# KiCad board hypjolin-rounded.kicad_pcb (continued)
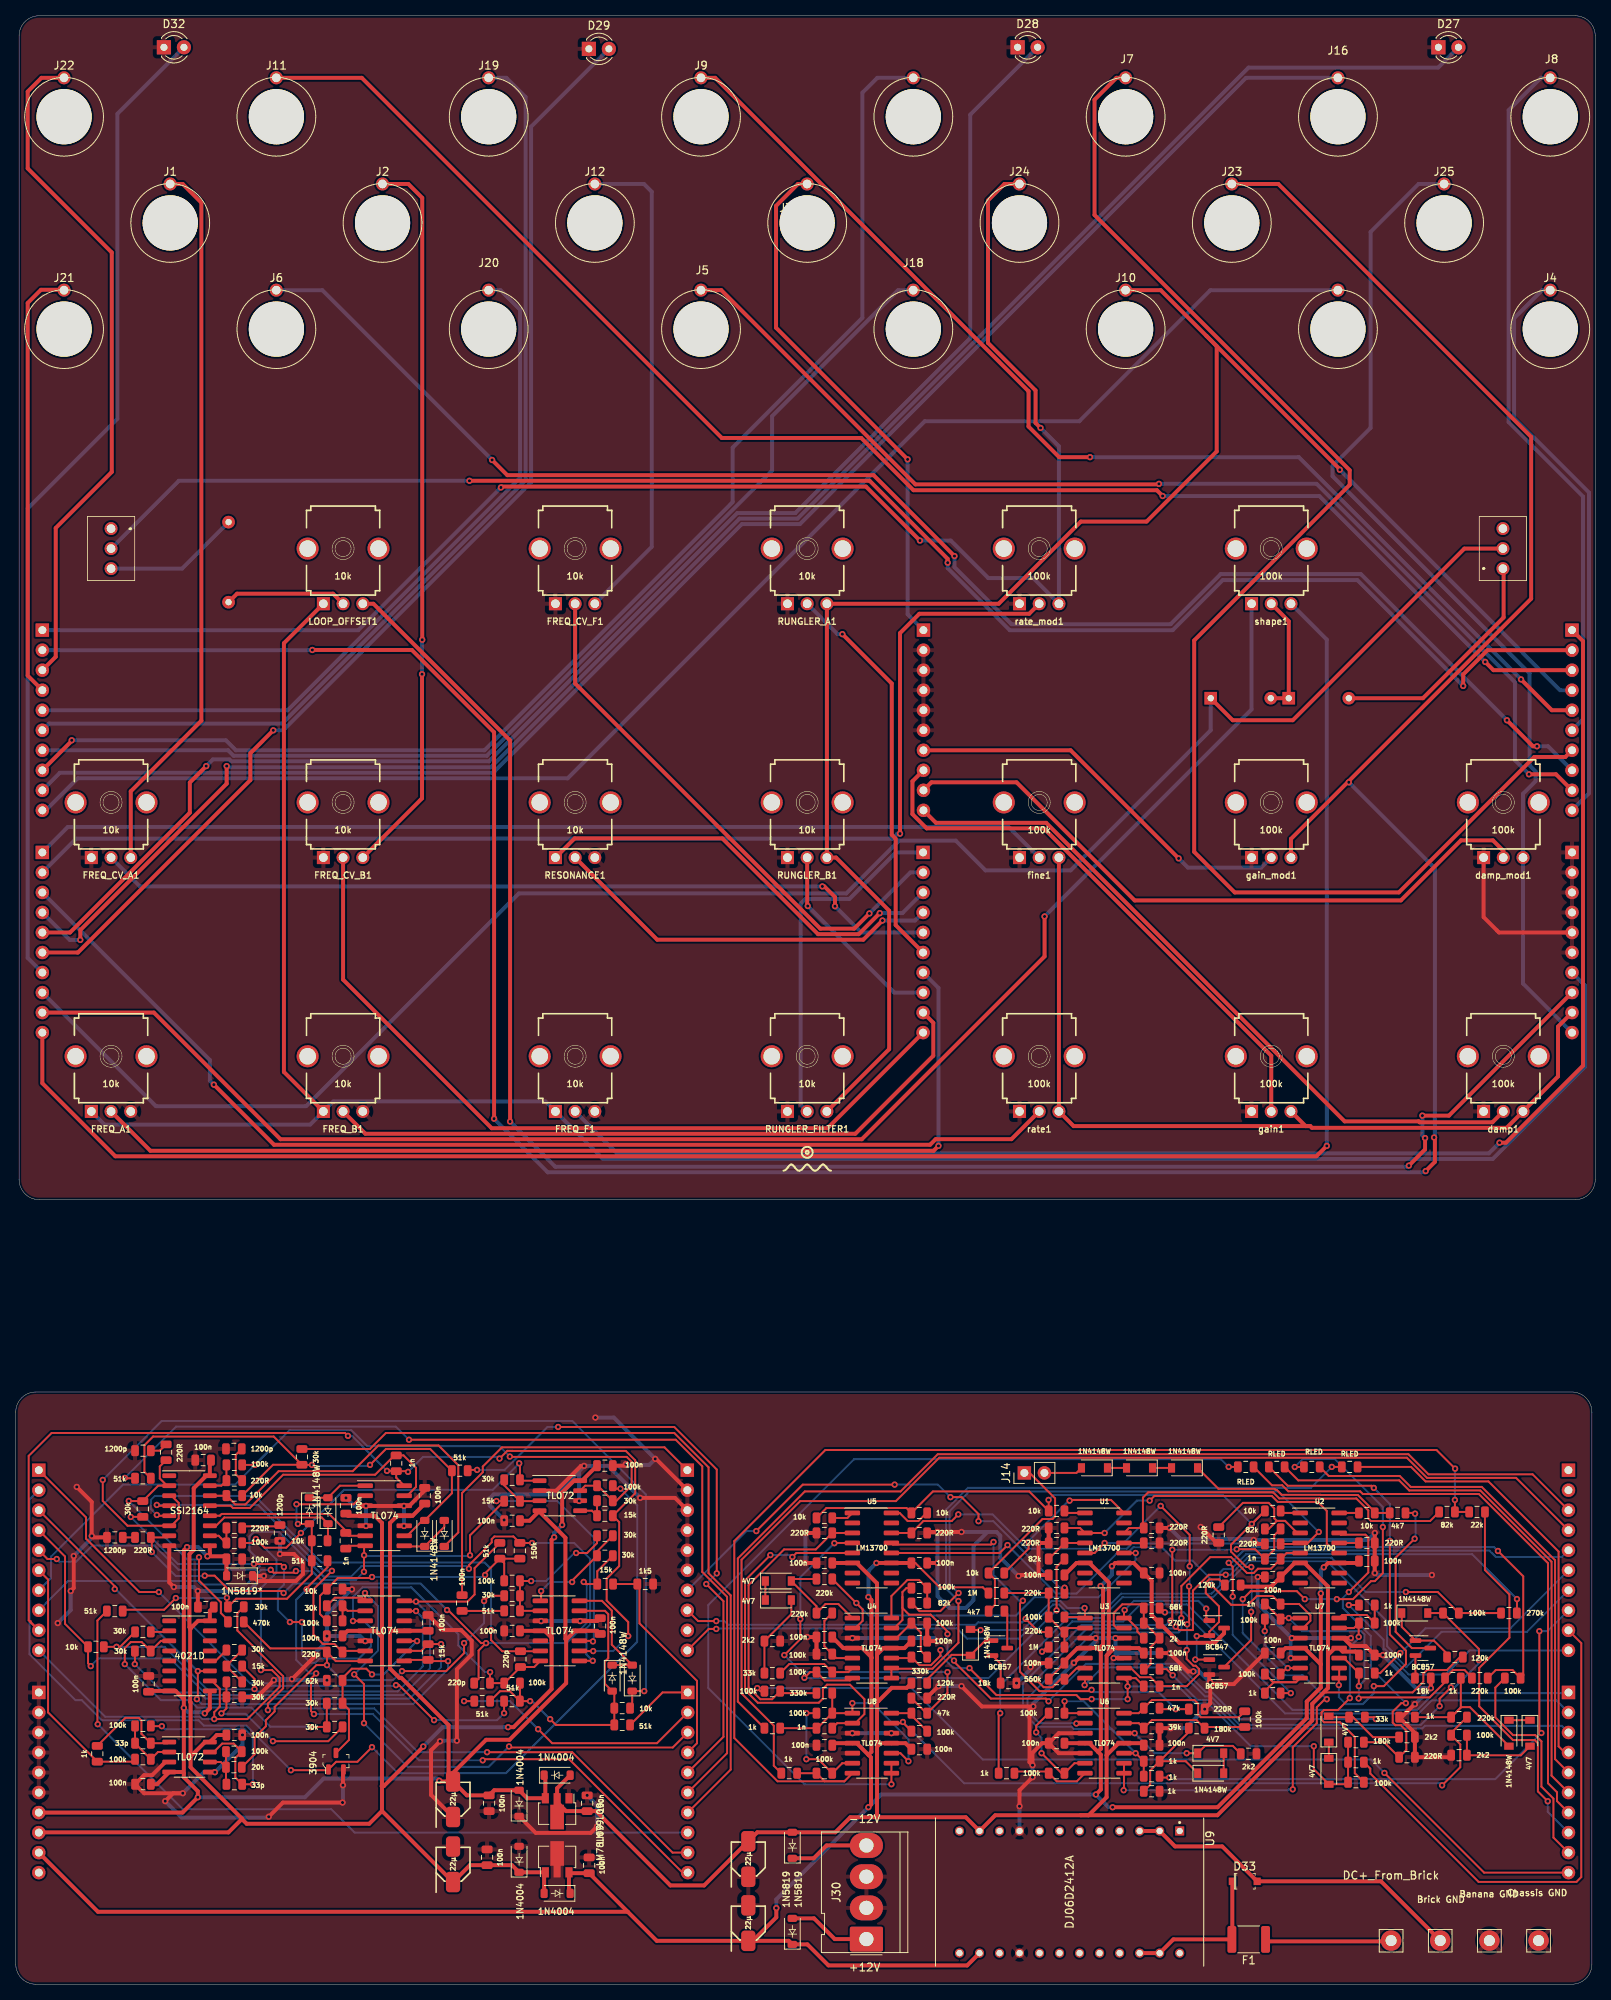
[diagram p0: board, top side]
## Routing (per net, layer and track width the routed paths; a pad name or vN(x,y) marks a point on that pad's centre or on a via; arc(x,y) is an arc through that point) (continued)
/P / gain_pot: length 71.4
  Top w0.5: J39.8 113.78,152.61 113.78,148.45 115.59,146.65 130.46,146.65 159.31,117.79 gain1.2
/P / LEDU: length 230.2
  Top w0.5: v1(8.19,132.49) 8.19,133.74 26.76,152.31 v1(26.76,154.55)
  Bottom w0.5: v1(8.19,132.49) 6.85,132.49 J37.4 ; D27.2 180.49,243.17 156.43,243.17 99.2,185.94 91.84,185.94 60.29,154.4 26.91,154.4 v1(26.76,154.55)
/P / LEDX: length 126.4
  Bottom w0.5: J37.7 1.51,130.21 1.51,187.24 12.89,198.61 12.89,237.29 D32.2
/P / LEDY: length 147.8
  Top w0.5: v1(32.68,159.08) 29.77,156.18 29.77,152.78 7.89,130.89 J37.6
  Bottom w0.5: v1(32.68,159.08) 33.93,159.08 65.4,190.55 65.4,235.67 D29.2
/P / LEDZ: length 191.9
  Top w0.5: v1(24.17,154.55) 22.09,152.46 22.09,148.63 6.89,133.43 J37.5
  Bottom w0.5: v1(24.17,154.55) 25.02,155.39 27.11,155.39 27.35,155.15 60.06,155.15 91.55,186.64 98.91,186.64 121.12,208.85 121.12,237.19 D28.2
/P / offset_switch: length 208.4
  Top w0.5: v1(118.25,180.35) 118.25,180.84 108.35,190.74 v1(57.57,190.74) ; v1(183.67,164.71) 183.67,166.17 186.75,169.25 J35.2
  Bottom w0.5: v1(118.25,180.35) 118.25,179.67 126.13,171.79 146.8,171.79 153.15,178.14 170.24,178.14 v1(183.67,164.71) ; SW1.2 20.69,190.74 v1(57.57,190.74)
/P / out -U: length 191.7
  Bottom w0.5: 3.55,148.68 7.86,153 70.04,153 115.34,198.3 134.96,198.3 151.59,214.93 J15.1
/P / out -X: length 55.2
  Top w0.5: J21.1 6.08,214.97 3.2,214.97 1.51,213.29 1.51,166.03 J31.4
/P / out -Y: length 99.2
  Bottom w0.5: J31.5 34.5,161.63 64,191.13 64,212.43 61.5,214.93 J20.1
/P / out -Z: length 139.3
  Bottom w0.5: J18.1 111.96,214.93 95.98,198.94 95.98,192.06 59.77,155.85 27.64,155.85 26.95,156.55 J31.7
/P / out U: length 201.8
  Bottom w0.5: J16.1 156.12,241.87 99.49,185.24 92.13,185.24 60.58,153.7 5.59,153.7 J31.9
/P / out X: length 86.8
  Top w0.5: J22.1 3.26,241.87 1.51,240.12 1.51,230.37 12.18,219.7 12.18,191.86 5.07,184.75 5.07,168.41 J31.3
/P / out Y: length 128.8
  Bottom w0.5: J19.1 62.25,241.87 64.7,239.42 64.7,190.84 33.8,159.94 4.22,159.94 J31.6
/P / out Z: length 168.8
  Top w0.5: v1(7.1,157.82) 7.1,157.74 J31.8
  Bottom w0.5: J17.1 109.32,241.87 107.43,239.98 107.43,211.42 90.97,194.95 90.97,188.04 59.48,156.55 27.93,156.55 26.66,157.82 v1(7.1,157.82)
/P / OUT_AMP: length 90.1
  Bottom w0.5: J35.6 198.87,160.49 198.87,188.74 189.43,198.18 189.43,237.76 193.55,241.87 J8.1
/P / P1: length 179.7
  Top w0.5: J35.7 196.63,155.7 192.69,155.7 175.5,138.52 154.68,138.52 149.53,143.66 149.53,170.49 169.27,190.22 169.27,192.08 136.89,224.46 136.89,239.09 139.66,241.87 J7.1
/P / P2: length 73.3
  Bottom w0.5: J35.10 199.63,151.09 199.63,189.24 190.13,198.74 190.13,211.37 193.69,214.93 J4.1
/P / PWM: length 146.4
  Top w0.5: v1(191.01,165.54) 194.92,161.63 J35.5 ; J9.1 88.75,241.87 128.51,202.1 128.51,197.62 132.4,193.74 v1(136.31,193.74)
  Bottom w0.5: v1(191.01,165.54) 162.81,193.74 v1(136.31,193.74)
/P / rate_mod: length 202.4
  Top w0.5: J24.1 125.45,228.4 123.37,226.32 123.37,208.23 129.4,202.2 129.4,198.08 v1(130.04,197.45) ; v1(114.73,183.16) 107.88,190 61.67,190 v1(61.56,189.89)
  Bottom w0.5: v1(61.56,189.89) 43.46,171.79 J31.1 ; v1(114.73,183.16) 118.65,183.16 123.41,178.4 129.11,178.4 rate_mod1.3 132.37,195.12 v1(130.04,197.45)
/P / rate_mod_pot: length 155.5
  Top w0.5: v1(112.2,145.97) 112.2,171.42 114.66,173.87 128.59,173.87 rate_mod1.2
  Bottom w0.5: J37.2 7.66,145.34 111.23,145.34 111.87,145.97 v1(112.2,145.97)
/P / rate_pot: length 143
  Top w0.5: v1(25.14,114.13) 32.77,106.5 116.02,106.5 116.73,107.21 126.35,107.21 rate1.2
  Bottom w0.5: v1(25.14,114.13) 24.63,114.64 24.63,117.26 J37.3
/P / reso_pot_A: length 49.9
  Top w0.5: v1(109.98,134.95) 107.55,132.52 81.4,132.52 RESONANCE1.2
  Bottom w0.5: v1(109.98,134.95) 114.11,134.95 J40.4
/P / reso_pot_B: length 54.9
  Top w0.5: v1(109.63,135.89) 106.96,133.22 101.8,133.22 89.65,145.38 70.92,145.38 RESONANCE1.1
  Bottom w0.5: v1(109.63,135.89) 112.51,135.89 J40.3
/P / run_a_pot: length 50.7
  Top w0.5: J40.6 111.65,134.37 111.65,145.33 111.15,145.82 111.15,165.02 v1(104.89,171.28)
  Bottom w0.5: RUNGLER_A1.2 104.28,171.28 v1(104.89,171.28)
/P / run_b_pot: length 25.4
  Top w0.5: v1(100.5,136.79) 100.42,136.86 RUNGLER_B1.2
  Bottom w0.5: J40.8 111.48,125.81 v1(100.5,136.79)
/P / RUN_CV: length 222
  Top w0.5: v1(168.01,192.14) 168.01,192.2 151.1,209.11 ; J10.1 145.28,214.93 151.1,209.11 ; 151.1,209.11 152.39,207.82 152.39,194.47 143.49,185.57 135.15,185.57 124.72,175.14 RUNGLER_A1.3 RUNGLER_B1.3 104.09,142.94 110.83,136.2 110.83,118.63 RUNGLER_FILTER1.3
  Bottom w0.5: J35.4 195.98,164.17 v1(168.01,192.14)
/P / run_f_pot: length 44.9
  Bottom w0.5: J40.1 111.69,143.59 105.79,137.69 100.2,137.69 99.6,137.09 99.6,111.56 RUNGLER_FILTER1.2
/P / shape_IN1: length 244.5
  Top w0.5: J37.10 3.37,114.31 12.64,105.04 165.04,105.04 v1(166.36,106.36)
  Bottom w0.5: shape1.3 166.36,170.59 v1(166.36,106.36)
/P / shape_IN2: length 199.1
  Top w0.5: v1(130.55,135.47) 130.55,130.39 107.36,107.2 33.59,107.2 17.52,123.27 J37.9
  Bottom w0.5: shape1.1 156.81,161.74 v1(130.55,135.47)
/P / shape_OUT: length 228.4
  Top w0.5: D30.1 154.42,160.36 162.04,160.36 183.82,182.14 SW2.2
  Bottom w0.5: J37.8 17.78,111.4 36.86,111.4 63.84,138.39 105.38,138.39 112.08,145.09 119.28,145.09 123.05,141.31 133.85,141.31 151.63,159.09 D30.1
/P / T1: length 142.7
  Top w0.5: v1(192.01,153.5) 195.45,153.5 J35.9 ; J5.1 89.52,214.93 114.16,190.28 145,190.28 v1(145.07,190.35)
  Bottom w0.5: v1(192.01,153.5) 190.24,155.28 190.24,165.19 165.07,190.35 v1(145.07,190.35)
/P / T2: length 195.7
  Top w0.5: v1(119.12,181.19) 108.85,191.45 62.37,191.45 v1(60.44,193.38) ; v1(193.03,157.06) 192.52,157.06 v1(189.22,160.36)
  Bottom w0.5: v1(60.44,193.38) 38.9,214.93 J6.1 ; v1(189.22,160.36) 170.68,178.9 152.9,178.9 146.55,172.55 126.35,172.55 119.12,179.79 v1(119.12,181.19) ; J35.8 194.43,157.06 v1(193.03,157.06)
/P / XOR: length 195.5
  Top w0.5: J35.3 187.51,166.71 v1(186.46,167.76) ; J11.1 43.9,241.87 89.59,196.18 107.28,196.18 113.91,189.55 144.8,189.55 v1(145.53,188.81)
  Bottom w0.5: v1(145.53,188.81) 165.41,188.81 v1(186.46,167.76)
/PWM: length 100.3
  Top w0.25: v1(73.22,41.03) 71.53,41.03 IC6.8 ; v1(5.2,53.95) 4.03,53.95 J34.5 ; v1(57.5,52.72) 57.5,53.16 60.4,56.06 60.4,56.47 60.73,56.81 63.15,56.81 R36.1 63.97,55.98 v1(65.52,55.98)
  Bottom w0.25: v1(5.2,53.95) 5.54,53.61 7.66,53.61 9.71,55.66 17.58,55.66 20.65,52.59 30.52,52.59 30.94,53.01 30.94,53.74 29.65,55.03 29.65,56.81 30.22,57.38 33.4,57.38 39.06,51.72 42.55,51.72 43.89,53.06 57.15,53.06 v1(57.5,52.72) ; v1(65.52,55.98) 70.86,55.98 72.9,53.95 72.9,45.65 72.41,45.16 72.41,41.85 v1(73.22,41.03)
/rate_mod_pot: length 58.7
  Top w0.25: v1(145.82,47.18) 145.28,47.73 R58.2
  Bottom w0.25: v1(145.82,47.18) 148.24,47.18 161.07,34.36 178.02,34.36 179.67,36.01 195.5,36.01 J36.2
/rate_pot: length 55.5
  Top w0.25: R60.2 146.03,39.98 v1(146.8,39.2)
  Bottom w0.25: v1(146.8,39.2) 149.93,36.07 151.48,36.07 155.09,32.46 178.48,32.46 178.81,32.79 196.18,32.79 J36.3
/reso_pot_A: length 28.1
  Top w0.25: J41.4 86.44,30.57 86.44,38.49 79.15,45.79 79.15,50.5 R40.2 R39.1
/reso_pot_B: length 70.7
  Top w0.25: R48.2 40.49,49.03 43.95,49.03 IC5.1 44.34,49.6 v1(44.31,49.63) ; J41.3 83.37,30.04 62.72,30.04 v1(62.59,30.16) ; v1(42.95,39.31) 44.19,38.07 v1(44.19,33.12)
  Bottom w0.25: v1(44.31,49.63) 45.96,47.98 45.96,42.32 v1(42.95,39.31) ; v1(62.59,30.16) 60.01,27.58 49.72,27.58 v1(44.19,33.12)
/run_a_pot: length 124.1
  Top w0.25: R4.1 13.88,64.19 v1(13.83,64.24) ; v1(49.9,69.08) 83.75,69.08 87.11,65.71 87.11,52.31 90.26,49.16 90.26,29.31 J41.6
  Bottom w0.25: v1(49.9,69.08) 48.23,70.75 20.34,70.75 v1(13.83,64.24)
/run_b_pot: length 95.4
  Top w0.25: v1(10.4,32.99) 10.36,33.03 10.36,46.14 R6.1
  Bottom w0.25: v1(10.4,32.99) 21.18,22.21 40.03,22.21 43,19.24 J41.8
/RUN_CV: length 93.2
  Top w0.25: v1(9.52,40.36) 9.17,40.71 R29.1 6.25,45.73 6.25,54.27 J34.4 ; R35.1 58.22,52.79 58.22,49.45 57.32,48.55 49.38,48.55 IC5.14
  Bottom w0.25: v1(9.52,40.36) 10.49,41.34 19.6,41.34 24.26,36.69 49.15,36.69 52.57,40.11 52.57,46.77 v1(50.79,48.55)
/run_f_pot: length 9
  Top w0.25: J41.1 82.08,37.02 R42.1
/shape_IN1: length 113.7
  Top w0.25: v1(173.68,26.81) 186.32,14.16 J36.10 ; R127.1 94.49,37.19 v1(94.1,37.57)
  Bottom w0.25: v1(94.1,37.57) 113.65,37.57 122.71,28.51 171.97,28.51 v1(173.68,26.81)
/shape_IN2: length 28.1
  Top w0.25: J36.9 195.12,18.61 195.12,23.55 193.6,25.07 193.6,30.81 192.8,31.61 189.99,31.61 187.75,33.85 187.75,37.63 R128.1
/shape_OUT: length 49.9
  Top w0.25: R148.1 186.43,52.55 189.53,49.45 189.53,43.97 185.7,40.14 185.7,35.26 189.99,30.98 192.74,30.98 193.15,30.57 193.15,24.47 v1(194.4,23.22)
  Bottom w0.25: J36.8 194.4,21.87 v1(194.4,23.22)
/T1: length 141.1
  Top w0.25: IC6.9 71.54,42.27 v1(73.27,42.27) ; v1(42.15,69.57) 41.79,69.94 4.55,69.94 1.64,67.03 1.64,46.18 J34.9 1.89,45.93 1.89,46.08 ; v1(47.11,65.13) 48.24,65.13 C3.2 ; v1(61.38,66.69) 62.36,67.67 62.99,67.67 63,67.66 77.41,67.66 78.6,66.47 78.6,62.28 R13.1 76.57,58.63 76.57,53.05 74.98,51.47 74.98,48.68 77.71,45.95 v1(77.71,44.17) ; C3.2 48.27,64.26 IC2.14 ; C3.2 49.68,65.09 v1(49.77,65)
  Bottom w0.25: v1(42.15,69.57) 42.66,69.57 v1(47.11,65.13) ; v1(49.77,65) 51.68,66.9 61.17,66.9 v1(61.38,66.69) ; v1(73.27,42.27) 75.81,42.27 v1(77.71,44.17)
/T2: length 103.3
  Top w0.25: IC6.10 73.17,43.56 v1(73.24,43.49) ; v1(32.35,52.58) 32.72,52.21 35.33,52.21 v1(35.55,52.43) ; v1(57.64,54.42) 57.64,56.95 R14.1 61.01,61.29 v1(61,61.3) ; v1(44.19,52.34) 44.19,54.41 v1(44.2,54.42) 44.2,55.49 IC2.7 42.24,55.63 C4.2
  Bottom w0.25: v1(32.35,52.58) 31.14,52.58 29.28,50.71 23.55,50.71 23.1,51.16 6.64,51.16 J34.8 ; v1(57.64,54.42) 57.55,54.33 44.29,54.33 v1(44.2,54.42) ; v1(35.55,52.43) 37.58,52.43 38.74,51.27 43.12,51.27 v1(44.19,52.34) ; v1(61,61.3) 68.71,61.3 73.35,56.67 73.35,43.6 v1(73.24,43.49)
/V+: length 243.8
  Top w0.5: C30.1 25.51,31.62 IC9.8 24.02,30.73 22.18,28.9 ; 22.18,28.9 22.18,35.76 22.13,35.82 22.13,45.1 22.18,45.15 ; 22.18,28.9 22.18,27.53 28.72,20.99 26.99,19.26 2.95,19.26 J32.8 ; 46.42,25.13 46.7,25.13 51.71,30.14 v1(51.71,30.16) ; C25.1 IC6.4 67.12,44.83 67.99,43.96 67.99,43.61 ; 67.99,43.61 67.99,56.38 v1(68.32,56.71) ; 67.99,43.61 67.99,37.44 63.17,32.61 v1(62.47,32.61) ; 46.47,21.98 C15.1 57.63,15.1 C13.1 62.97,15.1 D9.1 IC7.1 67.05,14.05 D8.2 ; 46.47,21.98 46.47,44.04 ; 46.47,21.98 44.85,20.36 29.3,20.36 28.72,20.94 ; 46.47,44.04 46.47,58.52 45.56,59.44 IC2.4 42.17,59.44 C17.1 ; 46.47,44.04 45.68,44.83 IC5.4 42.1,44.83 C27.1 ; 22.18,45.15 23.13,46.1 IC1.16 24.63,47.36 C23.1 ; 22.18,45.15 22.04,45.3 22.04,54.57 22.58,55.11 22.58,62.93 24.17,64.52 IC3.16 24.63,66.34 C21.1 ; v1(69.33,58.27) 69.33,62.39 70.83,63.88 IC4.8 71.85,63.88 C19.1
  Bottom w0.5: v1(62.47,32.61) 54.16,32.61 v1(51.71,30.16) ; v1(68.32,56.71) 68.32,57.25 v1(69.33,58.27)
/V-: length 226.3
  Top w0.5: C28.2 49.3,44.85 IC5.11 47.52,44.83 47.49,44.81 ; C24.2 16.97,37.21 IC1.8 20.28,37.21 21.33,36.17 ; IC1.9 24.63,35.01 v1(23.98,34.37) ; v1(21.73,55.46) 21.33,55.05 21.33,36.17 ; D7.1 67.2,26.37 IC8.3 64.89,23.6 D10.2 60.71,24.61 C14.2 57.25,23.96 C16.2 ; 21.33,36.17 21.33,26.77 ; 47.49,44.81 47.49,58.52 48.4,59.44 IC2.11 50.36,59.44 C18.2 ; 47.49,44.81 47.49,40.05 48.66,38.88 48.92,38.88 54.92,32.88 54.92,26.29 C16.2 ; C26.2 73.77,44.83 IC6.11 70.96,44.83 69.84,43.71 ; J32.7 21.16,21.78 v1(23.1,23.72) 23.1,24.49 21.33,26.26 21.33,26.77 ; IC3.9 24.63,54.59 v1(24.32,54.29) 26.39,54.29 C22.2 26.73,51.84 D11.2 ; C16.2 55.49,26.82 59.68,31.01 62.65,31.01 69.84,38.2 69.84,43.71 ; C16.2 53.83,25.72 v1(53.74,25.82) ; 69.84,43.71 69.75,43.8 69.75,56.65 66.47,59.93 IC4.4 65.2,58.8 C20.2 ; C31.2 17.93,25.38 IC9.4 21.18,26.92 21.33,26.77
  Bottom w0.5: v1(53.74,25.82) 53.46,26.1 39.06,26.1 36.69,23.72 v1(23.1,23.72) ; v1(23.98,34.37) 23.84,34.51 21.88,34.51 v1(21.33,35.06) ; v1(21.73,55.46) 23.16,55.46 24.32,54.3 v1(24.32,54.29)
/XOR: length 74.7
  Top w0.25: J34.3 12.56,50.5 v1(12.56,50.14) ; IC1.11 24.6,39.73 v1(23.1,39.73) 23.1,36.17 v1(22.98,36.17) ; IC5.8 49.41,41.15 R22.1 52.47,41 v1(54.85,41)
  Bottom w0.25: v1(22.98,36.17) 23.61,35.54 50.41,35.54 54.85,39.98 v1(54.85,41) ; v1(12.56,50.14) 12.65,50.14 23.06,39.73 v1(23.1,39.73)
P / GND: length 19.6
  Top w0.5: J33.5 188.21,133.43 186.26,135.38 damp_mod1.1
P / V+: length 223.5
  Top w0.5: J33.8 181.87,110.2 v1(178.49,110.2) ; v1(176.77,103.86) 178.83,105.92 v1(178.83,107.35) ; LOOP_OFFSET1.3 45.38,175.14 62.73,157.8 v1(62.73,109.45)
  Bottom w0.5: v1(178.83,107.35) 178.49,107.69 v1(178.49,110.2) ; v1(176.77,103.86) 176.62,103.71 68.47,103.71 v1(62.73,109.45)
P / V-: length 280.5
  Top w0.5: LOOP_OFFSET1.1 34.03,170.13 34.03,115.74 FREQ_B1.1
  Bottom w0.5: J33.7 199.13,126.7 199.13,116.41 187.42,104.71 74.5,104.71 FREQ_F1.1 67.21,112.01 40.31,112.01 FREQ_B1.1 37.36,109.05 11.27,109.05 FREQ_A1.1
P / VCC: length 111.2
  Top w0.5: 164.26,108.87 134.23,108.87 rate1.3 fine1.3 ; 164.26,108.87 163.68,108.87 gain1.3 ; 164.26,108.87 164.48,108.65 189.18,108.65 damp1.3 195.7,115.18 195.7,121.5 J33.9
Net-(C1-Pad1): length 4.7
  Top w0.25: C1.1 27.92,67.16 27.92,64.7 R9.1
Net-(C2-Pad1): length 4.9
  Top w0.25: R10.1 28.94,58.09 33.36,58.09 C2.1
Net-(C3-Pad1): length 34.1
  Top w0.25: IC2.13 49.67,61.98 50.79,63.1 50.79,65.51 49.2,67.09 C3.1 48.05,67.09 45.6,64.64 33.92,64.64 29.71,60.43 27.55,60.43 27.27,60.71 IC3.13
Net-(C4-Pad1): length 21.1
  Top w0.25: IC2.6 42.24,56.9 C4.1 41.88,57.54 39.75,59.66 26.12,59.66 25.9,59.44 IC3.12
Net-(C5-Pad2): length 5.4
  Top w0.25: R30.1 61.97,47.36 C5.2
Net-(C6-Pad2): length 1.6
  Top w0.25: R37.1 C6.2
Net-(C7-Pad1): length 83.7
  Top w0.25: v1(54.73,47.47) 54.85,47.47 59.05,43.28 v1(59.68,43.28) 58.73,42.33 58.73,38.76 C7.1 ; IC3.7 19.27,56.69 R37.2 17.26,56.56 v1(17.26,54.84) ; v1(72.07,51.04) 72.33,50.77 R39.2 73.79,52.4 R34.2 ; v1(23.98,51.83) 25.23,51.83 27.18,49.89 33.73,49.89 v1(33.98,49.63)
  Bottom w0.25: v1(23.98,51.83) 23.93,51.79 20.31,51.79 v1(17.26,54.84) ; v1(72.07,51.04) 72.45,50.66 72.45,45.84 69.89,43.28 v1(59.68,43.28) ; v1(33.98,49.63) 35.18,50.82 51.38,50.82 v1(54.73,47.47)
Net-(C7-Pad2): length 89
  Top w0.25: v1(30.22,53.31) 33.64,53.31 v1(34.03,52.93) ; v1(34.79,45.95) v1(36.31,45.95) ; v1(42.79,46.08) 42.82,46.1 IC5.3 ; IC6.7 65.79,40.25 C8.2 61.99,38.2 R45.2 C7.2 60.17,39.58 v1(60.19,39.6) ; v1(14.59,59.28) 14.61,59.3 R47.1
  Bottom w0.25: v1(30.22,53.31) 20.56,53.31 v1(14.59,59.28) ; v1(36.31,45.95) 36.31,41.88 37.41,40.78 38.01,40.78 38.54,41.31 43.53,41.31 45.08,42.86 45.08,45.2 44.19,46.08 v1(42.79,46.08) 42.79,49.13 44.01,50.36 50.19,50.36 56.16,44.39 56.16,42.98 59.54,39.6 v1(60.19,39.6) ; v1(34.03,52.93) 34.03,50.7 33.26,49.93 33.26,47.48 v1(34.79,45.95)
Net-(C8-Pad1): length 66.9
  Top w0.25: IC3.5 18,59.44 v1(17.9,59.54) ; v1(60.31,44.93) 60.31,43.66 61.73,42.25 C8.1 66.52,42.25 IC6.6
  Bottom w0.25: v1(17.9,59.54) 17.13,60.3 17.13,61.44 17.64,61.95 30.34,61.95 38.78,53.51 59.49,53.51 60.31,52.68 v1(60.31,44.93)
Net-(C9-Pad2): length 2.3
  Top w0.25: R49.1 18.28,67.69 C9.2
Net-(C10-Pad1): length 43.9
  Top w0.25: IC5.6 41.62,42.29 C10.1 40.43,43.17 38.96,43.17 37.78,44.36 37.78,50.1 v1(40.12,52.45) ; v1(17.9,60.81) 18,60.71 IC3.4
  Bottom w0.25: v1(40.12,52.45) 40.06,52.5 39.04,52.5 30.73,60.81 v1(17.9,60.81)
Net-(C29-Pad1): length 13
  Top w0.25: IC9.1 19.33,30.58 C29.1 15.95,31.77 15.95,33.46 15.61,33.79 13.9,33.79 R62.1
Net-(C29-Pad2): length 7.8
  Top w0.25: R63.2 C29.2 15.13,30.55 R64.1 18.05,29.46 IC9.2
Net-(C32-Pad1): length 6.5
  Top w0.25: R66.2 26.02,28.19 IC9.6 ; R65.1 26.68,25.42 C32.1
Net-(C32-Pad2): length 30.6
  Top w0.25: v1(18.53,32.74) 17.16,32.74 R63.1 ; IC9.7 25.12,29.46 26.2,30.53 27.65,30.53 R65.2 27.86,28.7 27.86,26.24 C32.2 30.08,25.37 v1(30.09,25.38)
  Bottom w0.25: v1(30.09,25.38) 30.09,31.34 29.07,32.36 18.91,32.36 v1(18.53,32.74)
Net-(C35-Pad1): length 80.4
  Top w0.25: v1(121.02,40.11) 124.44,36.69 134.59,36.69 135.11,36.17 v1(136.51,36.17) ; v1(164.71,30.2) 164.71,27.28 D21.2 168.81,25.38 R107.2 R109.2 R104.2 ; v1(117.34,42.39) 117.34,41.68 116.13,40.48 114.68,40.48 R92.2 113.53,41.38 111.11,41.38 ; v1(141.09,36.17) 141.09,37.78 v1(141.08,37.78) 141.08,38.38 140.62,38.84 142.12,38.84 C35.1
  Bottom w0.25: v1(141.08,37.78) 147.52,37.78 149.68,35.62 151.29,35.62 156.72,30.2 v1(164.71,30.2) ; v1(121.02,40.11) 118.99,40.11 117.34,41.76 v1(117.34,42.39) ; v1(136.51,36.17) v1(141.09,36.17)
Net-(C35-Pad2): length 47
  Top w0.25: v1(145.28,60.68) 148.96,57 v1(148.96,53.03) ; v1(148.65,45.66) 148.89,45.9 148.89,50.46 v1(148.88,50.47) ; U1.5 136.9,54.71 v1(138.17,55.98) ; U3.9 141.5,40.11 142.66,38.95 144,38.95 C35.2 148.59,37.82 150.15,39.39 150.15,39.99 149.73,40.41 149.43,40.41 148.58,41.26 v1(148.58,42.39)
  Bottom w0.25: v1(148.96,53.03) 148.96,50.55 v1(148.88,50.47) ; v1(145.28,60.68) 140.58,55.98 v1(138.17,55.98) ; v1(148.65,45.66) 148.63,45.64 148.63,42.44 v1(148.58,42.39)
Net-(C36-Pad1): length 86.5
  Top w0.25: v1(154.93,55.19) 157.26,55.19 C36.1 159.69,55.14 159.69,56.95 R112.2 ; v1(146.52,46.11) 146.76,46.35 v1(146.76,55.13) ; v1(142.1,29.31) U6.10 142.12,29.31 R90.1 R129.1 ; U6.1 R130.2 133.07,35.89 v1(133.09,35.9)
  Bottom w0.25: 139.35,32.06 139.06,32.36 134.28,32.36 133.97,32.67 129.6,32.67 127.81,34.46 127.81,38.14 135.25,45.58 145.98,45.58 v1(146.52,46.11) ; 139.35,32.06 135.51,35.9 v1(133.09,35.9) ; 139.35,32.06 v1(142.1,29.31) ; v1(154.93,55.19) 154.87,55.13 146.76,55.13 v1(146.76,55.13)
Net-(C36-Pad2): length 56.8
  Top w0.25: v1(147.91,46.45) 147.91,50.52 151.57,54.19 154.22,54.19 156.23,52.17 157.08,52.17 157.63,52.72 159.27,52.72 C36.2 161.26,54.71 U2.5 ; U6.2 134.62,33.12 v1(134.58,33.08)
  Bottom w0.25: v1(147.91,46.45) 147.91,44.95 147.6,44.64 136.74,44.64 128.39,36.29 128.39,34.65 129.91,33.12 134.55,33.12 v1(134.58,33.08)
Net-(C37-Pad1): length 45.8
  Top w0.25: v1(170.42,37.82) 170.42,39.46 R137.1 168.54,41.38 167.93,41.38 ; R124.1 184.77,38.93 183.84,39.86 182.39,39.86 R98.1 181.36,38.34 179.41,36.39 170.53,36.39 v1(170.4,36.26) ; C37.1 158.6,48.23 R138.2 160.63,46.46 U7.1
  Bottom w0.25: v1(161.53,46.46) 163.2,44.79 170.71,44.79 171.13,44.37 171.13,38.53 v1(170.42,37.82) 170.42,36.28 v1(170.4,36.26)
Net-(C37-Pad2): length 65.8
  Top w0.25: v1(125.85,55.71) 124.84,54.71 U5.12 ; U7.2 163.36,45.19 164.28,46.11 164.28,46.8 162.85,48.23 C37.2 159.48,49.26 157.49,49.26 156.37,48.13 154.23,48.13 v1(151.73,50.63)